# Altium PCB HAWACO_DATALOGER_DT-G2_V1.0.3.PcbDoc (part 2 of 3) (continued)
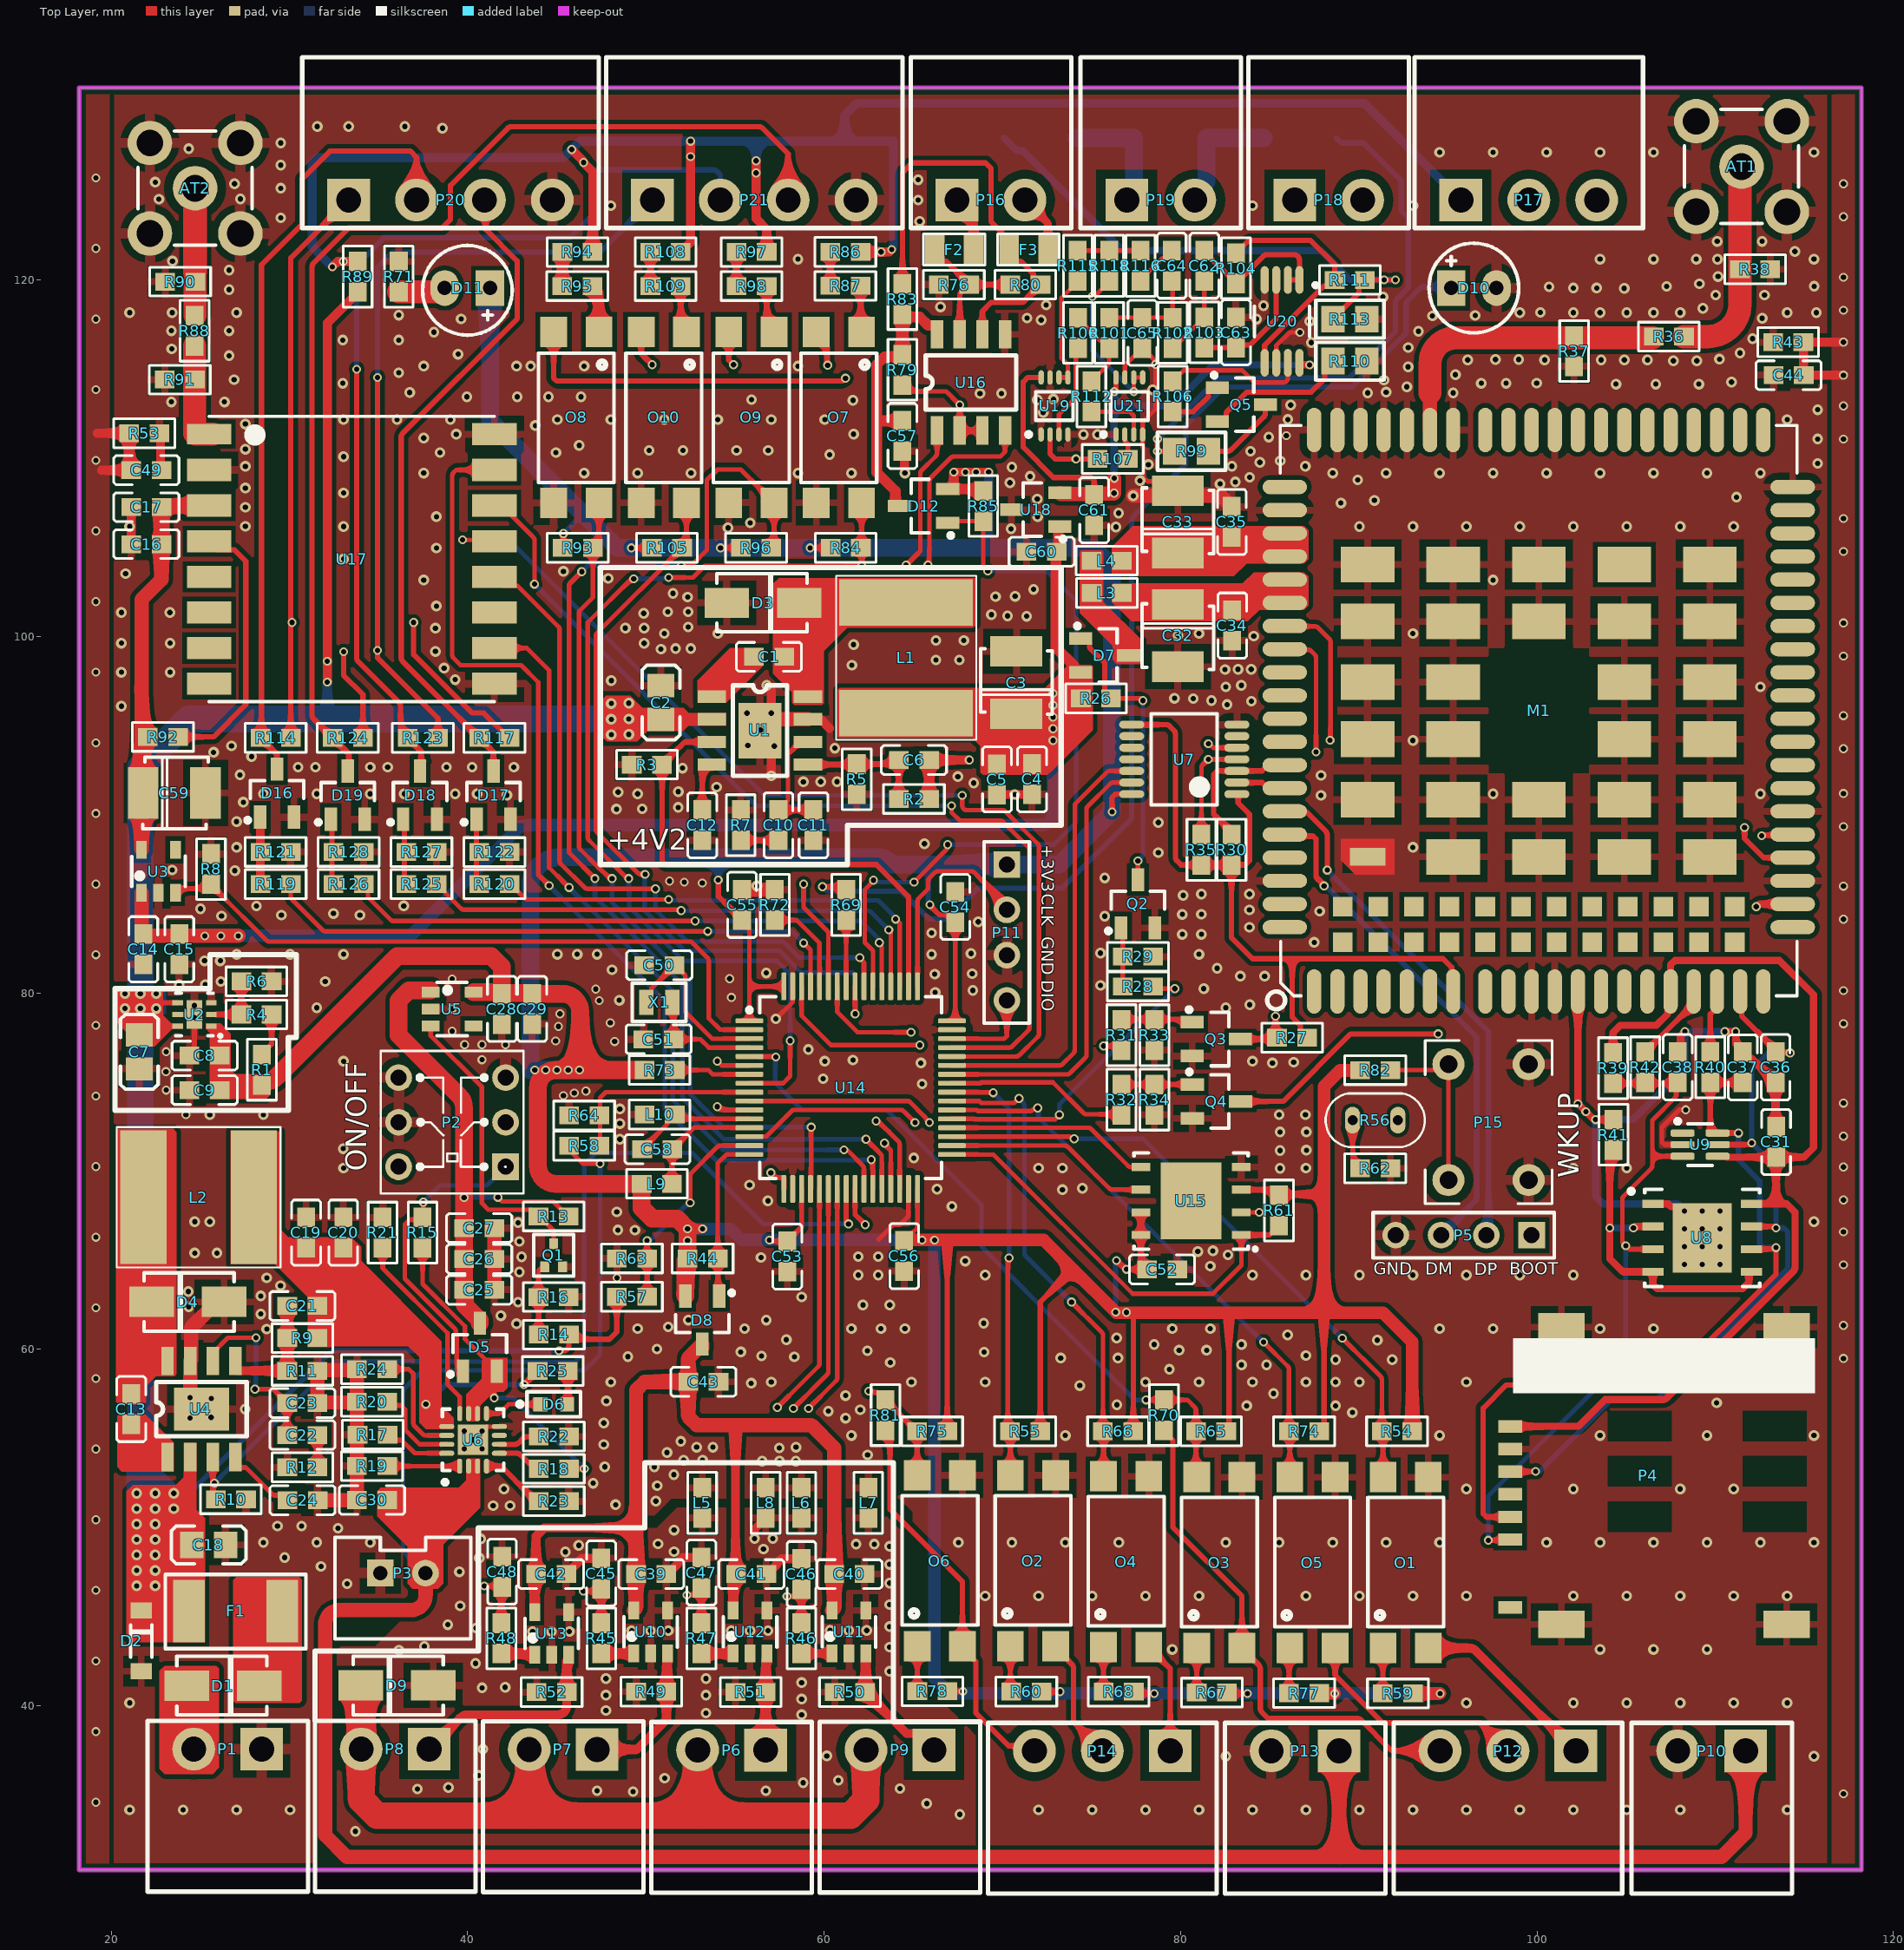
[diagram p0: Top Layer view]
## Nets (pads, with @x,y where several pads share a name; then routed paths per layer and width w, separated by ;. In a path a pad name is that pad's centre, name@x,y a point inside that pad or via, vN(x,y) a via of type N, cw(c..) or ccw(c..) an arc to the next point about the centre after c; other vN are vias at no path point) (continued)
  other v2: 39.81,54.419 40.81,54.419 39.81,55.419 40.81,55.419 48.387,64.008 24.197,73.165 45.381,74.237 45.99,74.385 46.64,74.493 23.094,74.545 23.081,75.579 40.806,76.247 23.094,76.701 39.832,77.093 40.806,77.093 42.127,77.093 48.25,77.272 44.942,77.305 39.133,77.848 45.101,78.116 48.011,78.319 24.677,78.611 45.188,78.823 39.132,79.098 24.677,79.287 47.388,79.564 54.798,79.743 47.193,80.208 39.133,80.789 54.706,80.794 53.17,86.168 52.157,86.209 51.326,86.27 85.941,111.26
GNDA: C58.1 L10.2 U14.12 | length 7
  Top Layer w0.254: C58.1@49.799,71.231 49.849,71.231 50.222,71.604 50.222,71.654 51.202,72.634 51.202,72.799 51.575,73.172 L10.2@51.625,73.172 51.866,72.93 U14.12@55.813,72.93
GSM1_RI: U7.11
GSM1_RX: U7.13 U14.42 | length 25
  Top Layer w0.254: U14.42@67.173,75.43 73.624,75.43 ccw(c73.624,75.684) 73.804,75.505 74.652,76.353 ccw(c74.473,76.533) 74.727,76.533 74.727,90.295 cw(c74.981,90.295) 74.801,90.474 76.054,91.727 cw(c76.234,91.548) 76.232,91.802 76.234,91.802 U7.13@77.263,91.802
GSM1_TX: U7.12 U14.43 | length 25
  Top Layer w0.254: U14.43@67.173,75.93 73.207,75.93 ccw(c73.207,76.184) 73.387,76.005 73.992,76.61 ccw(c73.812,76.789) 74.066,76.789 74.066,90.48 cw(c74.32,90.48) 74.141,90.659 75.858,92.377 cw(c76.038,92.198) 76.038,92.452 U7.12@77.263,92.452
"GSM AT1": M1.49 R36.1 R37.2 | length 17
  Top Layer w0.8: M1.49@94.001,111.584 94.001,113.661
  Top Layer w1.3: 94.001,113.661 94.001,115.311 cw(c95.445,115.311) 95.445,116.754 R36.1@106.489,116.754
"GSM AT2": AT1.1 R36.2 R38.2 | length 12
  Top Layer w1.305: R36.2@108.254,116.819 109.568,116.819 ccw(c109.568,118.643) 111.393,118.643 R38.2@111.393,120.599 111.393,126.277 cw(c111.481,126.277) AT1.1@111.481,126.365
GSM_RI: M1.62 R35.1 U7.4 | length 19.5
  Top Layer w0.254: R35.1@81.173,88.874 81.173,92.711 v2(81.563,93.102) U7.4@83.163,93.102 ; M1.62@85.851,99.284 85.886,99.249 87.158,99.249 cw(c87.158,98.995) 87.338,99.174 87.53,98.982 cw(c87.351,98.802) 87.605,98.802 v2(87.605,93.513)
  Layer 3 w0.254: v2(81.563,93.102) 81.9,93.438 cw(c82.079,93.259) 82.079,93.513 v2(87.605,93.513)
GSM_RX: M1.68 U7.2 | length 2.8
  Top Layer w0.3: U7.2@83.163,91.802 84.58,91.802 84.897,91.484 M1.68@85.851,91.484
GSM_STATUS: M1.61 U7.5 | length 17.1
  Top Layer w0.254: v2(81.563,93.977) 81.61,93.977 81.835,93.752 U7.5@83.163,93.752 ; M1.61@85.851,100.584 85.876,100.56 87.549,100.56 cw(c87.549,100.306) 87.73,100.484 88.344,99.87 cw(c88.163,99.691) 88.417,99.693 ; v2(88.392,94.177) 88.417,94.202 88.417,99.691
  Layer 3 w0.254: v2(81.563,93.977) 81.763,94.177 v2(88.392,94.177)
GSM_STATUS1: U7.10
GSM_TX: M1.67 R30.1 U7.3 | length 8
  Top Layer w0.3: R30.1@82.866,88.874 82.516,89.224 82.516,89.374 81.864,90.026 81.864,92.253 82.063,92.452 U7.3@83.163,92.452 84.576,92.452 84.908,92.784 M1.67@85.851,92.784
ISET: R17.1 U6.16 | length 3.7
  Top Layer w0.254: R17.1@35.528,55.215 35.837,54.907 36.301,54.907 37.038,54.169 U6.16@38.835,54.169
LED1: R69.2 U14.57 | length 3.7
  Top Layer w0.254: U14.57@61.243,80.36 R69.2@61.243,84.088
MASS1: C44.2 R43.2 | length 6.3
  Top Layer w0.5: v2(117.196,114.656) C44.2@114.971,114.656 114.959,114.668 114.959,116.497 R43.2@114.946,116.51 v2(117.196,116.51)
  other v2: 117.196,35.061 117.196,59.487 117.196,61.341 117.196,64.738 117.196,66.592 117.196,68.377 117.196,70.231 117.196,71.959 117.196,73.813 117.196,78.269 117.196,80.124 117.196,84.132 117.196,85.986 117.196,89.332 117.196,91.186 117.196,93.701 117.196,95.555 117.196,98.901 117.196,100.755 117.196,104.764 117.196,106.618 117.196,111.074 117.196,112.928 117.196,118.295 117.196,120.149 117.196,123.546 117.196,125.4
MASS2: C49.2 R53.2 | length 5.6
  Top Layer w0.5: 19.221,111.398 R53.2@21.01,111.398 21.01,109.443 C49.2@21.129,109.324 19.475,109.324
  other v2: 19.152,34.589 19.152,38.551 19.152,42.514 19.152,46.477 19.152,50.439 19.152,54.402 19.152,58.365 19.152,62.327 19.152,66.29 19.152,70.253 19.152,74.215 19.152,78.178 19.152,82.141 19.152,86.103 19.152,90.066 19.152,94.029 19.152,97.991 19.152,101.954 19.152,105.917 19.152,109.879 19.152,113.842 19.152,117.805 19.152,121.767 19.152,125.73
MCU_RX2: U14.30 U16.1 | length 45.4
  Top Layer w0.254: v2(62.924,72.811) 62.938,72.811 cw(c62.938,72.557) 63.118,72.736 64.168,71.685 cw(c63.989,71.505) 64.243,71.505 U14.30@64.243,69 ; v2(64.608,103.998) 65.398,104.788 65.398,109.135 cw(c65.652,109.135) 65.473,109.314 66.27,110.111 ccw(c66.091,110.291) 66.345,110.291 U16.1@66.345,111.549
  Layer 3 w0.254: v2(62.924,72.811) ccw(c62.684,72.892) 62.938,72.894 62.938,78.648 cw(c63.192,78.648) 63.012,78.827 64.593,80.408 64.593,85.108 63.53,86.17 63.53,102.815 cw(c63.784,102.815) 63.605,102.995 v2(64.608,103.998)
MCU_TX2: U14.29 U16.4 | length 47.6
  Top Layer w0.254: v2(63.391,71.569) 63.391,71.508 63.743,71.156 U14.29@63.743,69 ; v2(65.835,103.998) 65.839,104.001 ccw(c65.659,104.181) 65.913,104.182 65.913,108.72 cw(c66.167,108.72) 65.988,108.9 67.104,110.015 cw(c67.284,109.836) 67.282,110.09 67.284,110.09 69.892,110.09 70.155,110.353 U16.4@70.155,111.549
  Layer 3 w0.254: v2(63.391,71.569) 63.501,71.678 63.501,78.39 cw(c63.755,78.39) 63.576,78.569 64.972,79.965 ccw(c64.793,80.145) 65.047,80.145 65.047,85.247 ccw(c64.793,85.247) 64.972,85.427 64.36,86.039 cw(c64.539,86.219) 64.285,86.219 64.285,102.448 v2(65.835,103.998)
NetAT2_1: AT2.1 R88.2 R90.2 | length 7.1
  Top Layer w1.3: R88.2@24.714,118.026 AT2.1@24.714,125.146
NetC1_1: C1.1 U1.1
NetC1_2: C1.2 D3.2 L1.1 U1.8
NetC10_1: C10.1 C11.2 U1.6 | length 6.7
  Top Layer w0.254: C10.1@57.443,90.259 57.977,90.792 57.977,93.388 58.431,93.842 58.431,93.855 58.654,94.078 U1.6@59.104,94.078
  Top Layer w0.3: C10.1@57.443,90.259 C11.2@59.41,90.259
NetC10_2: C10.2 R7.2 | length 2.1
  Top Layer w0.3: R7.2@55.325,88.56 R7.2@55.325,88.56 C10.2@57.443,88.559 C10.2@57.444,88.558
NetC12_1: C12.1 U1.4 | length 3
  Top Layer w0.3: C12.1@53.166,90.259 53.166,92.608 53.366,92.808 U1.4@53.704,92.808
NetC13_1: C13.1 U4.1
NetC13_2: C13.2 D4.2 L2.1 U4.8
NetC22_1: C22.1 C23.2 U4.6 | length 10.1
  Top Layer w0.254: U4.6@25.705,59.348 25.705,59.798 26.555,60.648 v2(28.125,60.648) ; v2(28.07,57.765) 29.106,57.765 29.459,57.412 29.459,57.362 29.832,56.989 C23.2@29.882,56.989 C22.1@29.882,55.194
  Layer 3 w0.254: v2(28.07,57.765) v2@28.125,57.821
  Bottom Layer w0.254: v2@28.125,57.821 v2(28.125,60.648)
NetC22_2: C22.2 R12.2 | length 1.8
  Top Layer w0.3: C22.2@31.582,55.194 31.584,55.193 R12.2@31.584,53.385
NetC24_1: C24.1 U4.4 | length 4.1
  Top Layer w0.254: U4.4@26.975,53.948 26.975,53.588 27.198,53.365 27.557,53.365 29.108,51.815 29.612,51.815 C24.1@29.89,51.537
NetC62_1: C62.1 R102.2 R103.1 | length 4.6
  Top Layer w0.254: R102.2@79.561,116.183 79.561,116.233 79.934,116.606 80.036,116.606 80.916,117.485 80.966,117.485 81.339,117.858 R103.1@81.339,117.908 C62.1@81.339,119.948
NetC62_2: C62.2 R104.1 U20.1 U20.2 | length 8.7
  Top Layer w0.3: C62.2@81.339,121.648 81.689,121.298 81.689,121.237 82.717,120.208 82.767,120.208 R104.1@83.117,119.858 ; R104.1@83.117,119.808 R104.1@83.117,119.858 ; U20.2@86.025,120.003 U20.1@86.675,120.003 86.675,121.116 ccw(c86.375,121.116) 86.375,121.416 84.849,121.416 ccw(c84.849,121.116) 84.637,121.328 83.517,120.208 83.467,120.208 R104.1@83.117,119.858
NetC63_1: C63.1 R103.2 U20.3 | length 6.9
  Top Layer w0.3: R103.2@81.339,116.208 C63.1@83.117,116.208 83.256,116.347 83.892,116.347 85.375,117.83 U20.3@85.375,120.003
NetC64_1: C64.1 C65.1 R101.2 R102.1 | length 5.7
  Top Layer w0.254: R101.2@75.998,117.884 C65.1@77.861,117.884 R102.1@79.561,117.883 R102.1@79.561,117.883 79.561,119.893 C64.1@79.506,119.948
NetC64_2: C64.2 R116.2 | length 2.5
  Top Layer w0.254: R116.2@77.757,119.948 77.757,119.998 78.985,121.225 79.133,121.225 79.506,121.598 C64.2@79.506,121.648
NetD1_1: D1.1 P1.2
NetD1_2: D1.2 F1.1
NetD6_1: D6.1 R25.1 | length 1.9
  Top Layer w0.3: D6.1@45.586,56.92 45.631,56.965 R25.1@45.631,58.782
NetD7_1: D7.1 Q2.3 R26.1 | length 16.3
  Top Layer w0.254: R26.1@76.11,96.52 77.712,96.52 77.831,96.401 v2(77.897,96.401) ; Q2.3@77.61,86.35 v2(77.61,87.409)
  Top Layer w0.3: D7.1@74.393,99.883 74.693,99.883 74.893,99.683 74.893,99.383 75.743,98.533 75.743,96.87 76.093,96.52 R26.1@76.11,96.52
  Bottom Layer w0.254: v2(77.61,87.409) 77.897,87.696 77.897,95.203 v2(77.897,96.401)
NetD10_1: D10.1 R69.1 | length 64.1
  Top Layer w0.3: v2(59.91,85.954) 61.077,85.954 R69.1@61.243,85.788
  Bottom Layer w0.3: v2(59.91,85.954) 59.953,85.954 60.119,85.787 ccw(c60.331,86) 60.331,85.7 64.216,85.7 cw(c64.216,85.4) 64.428,85.612 65.881,84.159 66.94,84.159 68.655,85.874 73.362,85.874 77.263,89.775 77.263,106.468 cw(c77.563,106.468) 77.351,106.68 ; 77.393,106.764 80.296,109.668 80.296,111.838 82.453,113.995 89.651,113.995 92.571,116.916 ccw(c92.359,117.128) 92.659,117.128 92.659,118.616 cw(c92.959,118.616) 92.747,118.829 93.447,119.528 cw(c93.659,119.316) 93.659,119.616 95.001,119.616 cw(c95.001,119.316) 95.185,119.553 D10.1@95.19,119.549
NetD11_2: D11.2 R71.2 | length 2.7
  Top Layer w1.3: R71.2@36.141,119.337 38.58,119.337 38.718,119.476 D11.2@38.718,119.548
NetD13_2: D13.2 R99.2 | length 32.3
  Top Layer w0.3: v2(78.71,111.081) v2(78.71,110.388) R99.2@79.67,110.388 R99.2@79.244,110.814
  Bottom Layer w0.3: v2(78.71,110.388) v2(78.71,111.081) 78.747,111.118 82.036,114.407 cw(c82.248,114.195) 82.248,114.495 89.444,114.495 92.062,117.114 92.062,118.829 92.159,118.925 92.159,118.948 92.781,119.57 92.781,123.505 92.39,123.896 92.39,125.567 90.272,127.685 89.028,127.685 D13.2@88.748,127.965
NetD14_1: D14.1 D15.2 P19.1 | length 6.9
  Bottom Layer w1: D15.2@74.168,127.965 D14.1@77.393,127.965 77.393,124.891 P19.1@76.987,124.485
NetD15_1: D15.1 R111.1 R113.1 | length 29.9
  Top Layer w0.3: R113.1@88.555,117.805 88.555,117.905 89.055,118.405 89.155,118.405 90.01,119.261 90.01,119.658 R111.1@90.355,120.002 v2(91.421,120.002) v2(92.062,120.002)
  Bottom Layer w0.4: D15.1@70.104,127.965 70.804,127.265 70.994,127.265 cw(c70.994,126.865) 71.278,127.147 76.66,121.765 ccw(c76.943,122.048) 76.943,121.648 87.864,121.648 89.509,120.002 v2(91.421,120.002) v2(92.062,120.002)
NetD16_1: D16.1 R119.2 R121.2 | length 3.8
  Top Layer w0.5: D16.1@28.363,89.861 28.373,89.852 28.373,86.114 R119.2@28.382,86.105
NetD17_1: D17.1 R120.2 R122.2 | length 3.6
  Top Layer w0.3: D17.1@40.499,89.647 40.499,86.261 R120.2@40.655,86.105
NetD18_1: D18.1 R125.2 R127.2 | length 3.6
  Top Layer w0.3: D18.1@36.448,89.647 36.448,86.221 R125.2@36.564,86.105
NetD19_1: D19.1 R126.2 R128.2 | length 3.6
  Top Layer w0.3: D19.1@32.398,89.647 32.398,86.18 R126.2@32.473,86.105
NetF2_1: F2.1 R76.1 R80.2 U16.7 | length 8.2
  Top Layer w0.3: F2.1@66.209,121.703 66.209,121.453 66.609,121.053 66.859,121.053 67.735,120.177 67.735,120.086 R76.1@68.085,119.736 ; U16.7@67.615,116.949 67.615,119.216 67.735,119.336 67.735,119.386 R76.1@68.085,119.736 ; R80.2@70.448,119.736 R76.1@68.135,119.736 R76.1@68.085,119.736
NetF3_1: F3.1 R80.1 R83.2 U16.6 | length 24.6
  Top Layer w0.3: R83.2@64.398,119.776 64.398,125.892 cw(c64.698,125.892) 64.487,126.104 64.862,126.48 cw(c65.075,126.268) 65.075,126.568 69.063,126.568 69.367,126.263 69.367,123.284 69.98,122.671 69.98,122.103 F3.1@70.38,121.703 70.38,121.453 70.78,121.053 71.03,121.053 71.748,120.335 71.748,120.086 R80.1@72.098,119.736 ; U16.6@68.885,116.949 68.885,118.249 69.371,118.736 71.148,118.736 71.748,119.336 71.748,119.386 R80.1@72.098,119.736 ; R80.1@72.148,119.736 R80.1@72.098,119.736
NetO1_1: O1.1 R59.2 | length 2.6
  Top Layer w0.254: R59.2@91.352,40.691 91.352,43.224 O1.1@91.364,43.236
NetO2_1: O2.1 R60.2 | length 2.6
  Top Layer w0.254: O2.1@70.455,43.338 70.455,40.836 R60.2@70.499,40.792
NetO3_1: O3.1 R67.2 | length 2.5
  Top Layer w0.254: O3.1@80.909,43.236 80.913,43.233 R67.2@80.913,40.742
NetO4_1: O4.1 R68.2 | length 2.5
  Top Layer w0.254: R68.2@75.68,40.792 75.68,43.285 O4.1@75.682,43.287
NetO5_1: O5.1 R77.2 | length 2.5
  Top Layer w0.254: R77.2@86.088,40.71 86.088,43.188 O5.1@86.136,43.236
NetO6_1: O6.1 R78.2 | length 2.5
  Top Layer w0.254: O6.1@65.227,43.338 65.235,43.33 R78.2@65.235,40.811
NetO7_1: O7.1 R87.2 | length 2.6
  Top Layer w0.3: R87.2@62.049,119.666 62.049,117.147 O7.1@62.108,117.089
NetO8_1: O8.1 R95.2 | length 2.8
  Top Layer w0.5: R95.2@47.007,119.659 47.057,119.659 47.307,119.409 47.307,119.359 47.371,119.296 O8.1@47.371,117.089
NetO9_1: O9.1 R98.2 | length 2.7
  Top Layer w0.3: R98.2@56.786,119.659 56.786,117.499 O9.1@57.196,117.089
NetO10_1: O10.1 R109.2 | length 2.7
  Top Layer w0.3: R109.2@51.96,119.659 51.96,117.412 O10.1@52.283,117.089
NetQ1_1: Q1.1 R14.1 R16.2 | length 4.1
  Top Layer w0.254: R14.1@43.986,60.822 43.986,62.93 R16.2@43.981,62.935 43.981,64.425 44.164,64.608 44.214,64.608 44.337,64.731 Q1.1@44.337,64.781
NetQ1_3: Q1.3 R13.1 U5.3 | length 16.5
  Top Layer w0.254: U5.3@37.932,78.148 37.932,77.594 40.806,74.72 40.806,68.193 41.164,67.835 43.608,67.835 R13.1@43.981,67.462 44.031,67.462 44.831,66.662 Q1.3@44.831,65.928
NetQ2_1: Q2.1 R28.2 R29.2 | length 3.3
  Top Layer w0.254: Q2.1@76.66,83.65 76.76,83.55 R29.2@76.76,82.028 R28.2@76.76,80.364
NetQ3_1: Q3.1 R31.2 R33.2 | length 4
  Top Layer w0.254: R31.2@76.688,78.517 80.492,78.517 Q3.1@80.655,78.354
NetQ4_1: Q4.1 R32.2 R34.2 | length 4
  Top Layer w0.254: R32.2@76.688,74.889 76.717,74.86 Q4.1@80.67,74.86
NetQ5_1: Q5.1 R106.2 | length 3.2
  Top Layer w0.3: R106.2@79.561,112.607 80.716,112.607 81.564,113.455 81.564,113.755 81.764,113.955 Q5.1@82.064,113.955
NetQ5_2: Q5.2 R110.2 | length 8.4
  Top Layer w0.3: Q5.2@82.064,112.055 82.364,112.055 82.564,112.255 82.564,112.555 83.714,113.705 87.336,113.705 88.097,114.466 88.097,114.987 R110.2@88.555,115.444
NetQ5_3: Q5.3 R99.1 | length 4.6
  Top Layer w0.3: R99.1@81.57,110.388 82.628,110.388 ccw(c82.628,110.688) 82.84,110.476 84.676,112.312 ccw(c84.464,112.524) 84.764,112.524 Q5.3@84.764,113.005
NetR1_1: R1.1 R4.2 | length 2.5
  Top Layer w0.3: R1.1@28.455,76.539 28.455,76.589 28.805,76.939 28.829,76.939 29.005,77.115 R4.2@29.005,78.787
NetR3_2: R3.2 U1.3 U14.50 | length 28.4
  Top Layer w0.3: 51.002,87.286 50.914,87.374 R3.2@50.914,92.808 50.964,92.808 51.314,93.158 51.314,93.208 52.184,94.078 U1.3@53.704,94.078 ; 51.003,87.285 ccw(c51.214,87.498) 51.214,87.198 62.939,87.198 64.743,85.394 U14.50@64.743,80.36
NetR4_1: R4.1 R6.2 U2.2 | length 3.5
  Top Layer w0.3: U2.2@25.622,78.787 R4.1@27.305,78.787 ; R4.1@27.305,78.787 R6.2@27.306,80.641
NetR10_2: R10.2 U4.3 U14.24 | length 55.4
  Top Layer w0.3: v2@25.705,52.587 U4.3@25.705,53.948 ; v2(25.799,52.493) 25.705,52.275 25.705,51.753 R10.2@25.871,51.587 ; U14.24@61.243,69 61.243,67.163 v2(61.372,67.035)
  Bottom Layer w0.254: v2(25.799,52.493) 32.628,59.322 39.132,59.322 cw(c39.132,59.068) 39.135,59.322 45.91,59.276 ccw(c45.912,59.53) 46.091,59.35 46.472,59.73 ccw(c46.292,59.91) 46.546,59.91 46.546,70.363 47.203,71.02 52.6,71.02 54.572,69.048 56.497,67.122 ccw(c56.709,67.335) 56.709,67.035 v2(61.372,67.035)
NetR18_2: R18.2 U6.5 | length 2.5
  Top Layer w0.3: U6.5@41.785,54.169 42.76,54.169 cw(c42.76,53.869) 42.973,54.08 43.422,53.631 ccw(c43.634,53.843) 43.634,53.543 43.74,53.543 R18.2@43.987,53.297
NetR20_1: R20.1 U6.15 | length 5
  Top Layer w0.254: R20.1@35.491,57.054 35.689,56.856 36.273,56.856 36.506,56.623 36.506,55.473 37.31,54.669 U6.15@38.835,54.669
NetR21_2: R21.2 U6.12 | length 11.1
  Top Layer w0.254: R21.2@35.235,65.699 35.235,64.545 38.877,60.902 38.877,58.02 39.56,57.337 U6.12@39.56,56.394
NetR22_2: R22.2 U6.6 | length 2.4
  Top Layer w0.3: U6.6@41.785,54.669 42.657,54.669 ccw(c42.657,54.969) 42.87,54.757 43.119,55.006 cw(c43.331,54.794) 43.331,55.094 43.971,55.094 R22.2@43.987,55.109
NetR23_2: R23.2 U6.4 | length 3.7
  Top Layer w0.3: U6.4@41.06,53.444 41.877,53.444 43.487,51.834 43.637,51.834 R23.2@43.987,51.484
NetR24_2: R24.2 U6.14 | length 6.5
  Top Layer w0.254: R24.2@35.491,58.885 36.706,58.885 36.96,58.631 36.96,56.811 36.96,55.866 ccw(c37.214,55.867) 37.035,55.688 37.479,55.243 ccw(c37.659,55.423) 37.659,55.169 U6.14@38.835,55.169
NetR28_1: R28.1 U14.37 | length 17.2
  Top Layer w0.254: U14.37@67.173,72.93 68.429,72.93 68.447,72.912 72.961,72.912 v2(73.207,73.157) ; R28.1@78.46,80.364 78.585,80.239 v2(79.68,80.239)
  Bottom Layer w0.254: v2(73.207,73.157) 73.207,73.645 cw(c73.461,73.645) 73.282,73.825 75.966,76.509 cw(c76.146,76.33) 76.006,76.542 ccw(c75.688,77.023) 76.169,76.705 cw(c76.381,76.565) 76.201,76.744 79.635,80.178 ccw(c79.456,80.358) v2(79.68,80.239)
NetR31_1: R31.1 U14.62 | length 20.5
  Top Layer w0.254: U14.62@58.743,80.36 58.743,78.72 60.393,77.07 v2(65.383,77.07) ; v2(75.688,77.023) 76.204,77.023 76.57,76.657 R31.1@76.688,76.775
  Layer 3 w0.254: v2(65.383,77.07) 74.849,77.07 75.54,77.07 cw(c75.54,76.816) 75.68,77.028 v2(75.688,77.023)
NetR32_1: R32.1 U14.41 | length 10.3
  Top Layer w0.254: U14.41@67.173,74.93 68.78,74.93 68.824,74.974 69.733,74.974 ; 69.734,74.974 72.841,74.974 74.551,73.264 ccw(c74.73,73.443) 74.73,73.189 R32.1@76.688,73.189
NetR41_1: R41.1 U8.2 U8.4 U8.5 | length 18.4
  Top Layer w0.4: R41.1@104.292,71.189 104.089,70.986 v2(104.089,66.806) 104.089,65.084 104.822,64.351 U8.4@106.504,64.351 106.504,63.64 106.738,63.406 111.544,63.406 111.898,63.76 111.898,64.326 111.923,64.351 U8.5@112.044,64.351 ; v2(105.415,66.806) 105.5,66.891 U8.2@106.504,66.891
  Bottom Layer w0.4: v2(104.089,66.806) v2(105.415,66.806)
NetR45_2: R45.2 U10.1 | length 1.8
  Top Layer w0.5: R45.2@47.508,42.931 49.303,42.931 U10.1@49.317,42.945
NetR46_2: R46.2 U11.1 | length 1.7
  Top Layer w0.381: R46.2@58.732,42.931 58.746,42.945 U11.1@60.442,42.945
NetR47_2: R47.2 U12.1 | length 1.8
  Top Layer w0.5: R47.2@53.12,42.931 54.891,42.931 U12.1@54.905,42.945
NetR48_2: R48.2 U13.1 | length 1.9
  Top Layer w0.5: R48.2@41.896,42.931 43.715,42.931 43.765,42.881 U13.1@43.765,42.861
NetR56_1: R56.1 R62.2 U14.25 | length 37.7
  Top Layer w0.254: U14.25@61.743,69 61.743,67.564 v2(62.313,66.994) ; R56.1@89.657,72.857 89.657,70.58 89.659,70.578 89.659,70.528 90.032,70.155 R62.2@90.082,70.155
  Layer 3 w0.254: v2(62.313,66.994) 88.537,66.994 89.657,68.114 R56.1@89.657,72.857
NetR72_2: R72.2 U14.60 | length 5.5
  Top Layer w0.254: R72.2@57.241,84.088 58.453,84.088 59.743,82.798 U14.60@59.743,80.36
NetR73_2: R73.2 U14.7 | length 4.3
  Top Layer w0.254: R73.2@51.625,75.671 53.514,75.671 53.754,75.43 U14.7@55.813,75.43
NetR86_2: R86.2 R87.1 | length 1.9
  Top Layer w0.3: R87.1@60.349,119.666 R86.2@60.349,121.571
NetR88_1: R88.1 R91.2 U17.1 | length 5.9
  Top Layer w1.3: R88.1@24.689,116.301 24.689,114.408 24.689,111.394 24.74,111.343 U17.1@25.706,111.343
NetR92_1: R92.1 U17.4 | length 15.1
  Top Layer w0.3: R92.1@23.761,94.361 25.75,94.361 27.559,96.17 27.559,104.218 26.908,104.868 25.978,104.868 U17.4@25.503,105.343
NetR94_2: R94.2 R95.1 | length 1.9
  Top Layer w0.5: R95.1@45.307,119.659 45.313,119.665 45.313,121.559 R94.2@45.319,121.564
NetR97_2: R97.2 R98.1 | length 1.9
  Top Layer w0.3: R98.1@55.086,119.659 R97.2@55.086,121.564
NetR100_1: R100.1 U19.3 | length 5.3
  Top Layer w0.254: U19.3@73.182,111.331 73.182,112.447 74.136,113.401 74.136,116.063 R100.1@74.256,116.184
NetR100_2: R100.2 R101.1 R112.2 | length 4.8
  Top Layer w0.254: R100.2@74.256,117.884 74.256,117.834 75.483,116.607 75.625,116.607 75.998,116.234 R101.1@75.998,116.184 75.998,115.303 75.425,114.73 75.375,114.73 75.002,114.357 R112.2@75.002,114.307
NetR104_2: R104.2 R111.2 U20.5 | length 13.7
  Top Layer w0.3: R104.2@83.117,121.508 83.738,122.129 cw(c83.95,121.917) 83.95,122.217 87.295,122.217 88.655,120.857 R111.2@88.655,120.002 88.305,119.652 88.04,119.652 84.725,116.337 U20.5@84.725,115.353
NetR106_1: R106.1 U20.7 | length 8
  Top Layer w0.254: R106.1@79.561,114.307 79.561,114.357 79.934,114.73 79.984,114.73 80.184,114.931 83.465,114.931 84.072,114.324 ccw(c84.252,114.503) 84.252,114.249 85.771,114.249 ccw(c85.771,114.503) 86.025,114.503 U20.7@86.025,115.353
NetR107_1: R107.1 U21.2 | length 1.4
  Top Layer w0.254: U21.2@76.878,111.331 76.887,111.322 76.887,110.968 77.05,110.805 R107.1@77.05,109.957
NetR108_2: R108.2 R109.1 | length 1.9
  Top Layer w0.3: R109.1@50.26,119.659 R108.2@50.26,121.564
NetR112_1: R112.1 U21.3 | length 3.5
  Top Layer w0.254: R112.1@75.002,112.607 77.159,112.607 77.378,112.388 U21.3@77.378,111.331